# Altium PCB Disco 69.PcbDoc
Units mil, origin at the board's own origin, x right, y up, seen from the top; angles counter-clockwise.
Board outline 5620.27 x 3065.15 mil, 2 copper layers (Top Layer, Bottom Layer); 79 components, 55 nets, 277 pads, 121 vias.
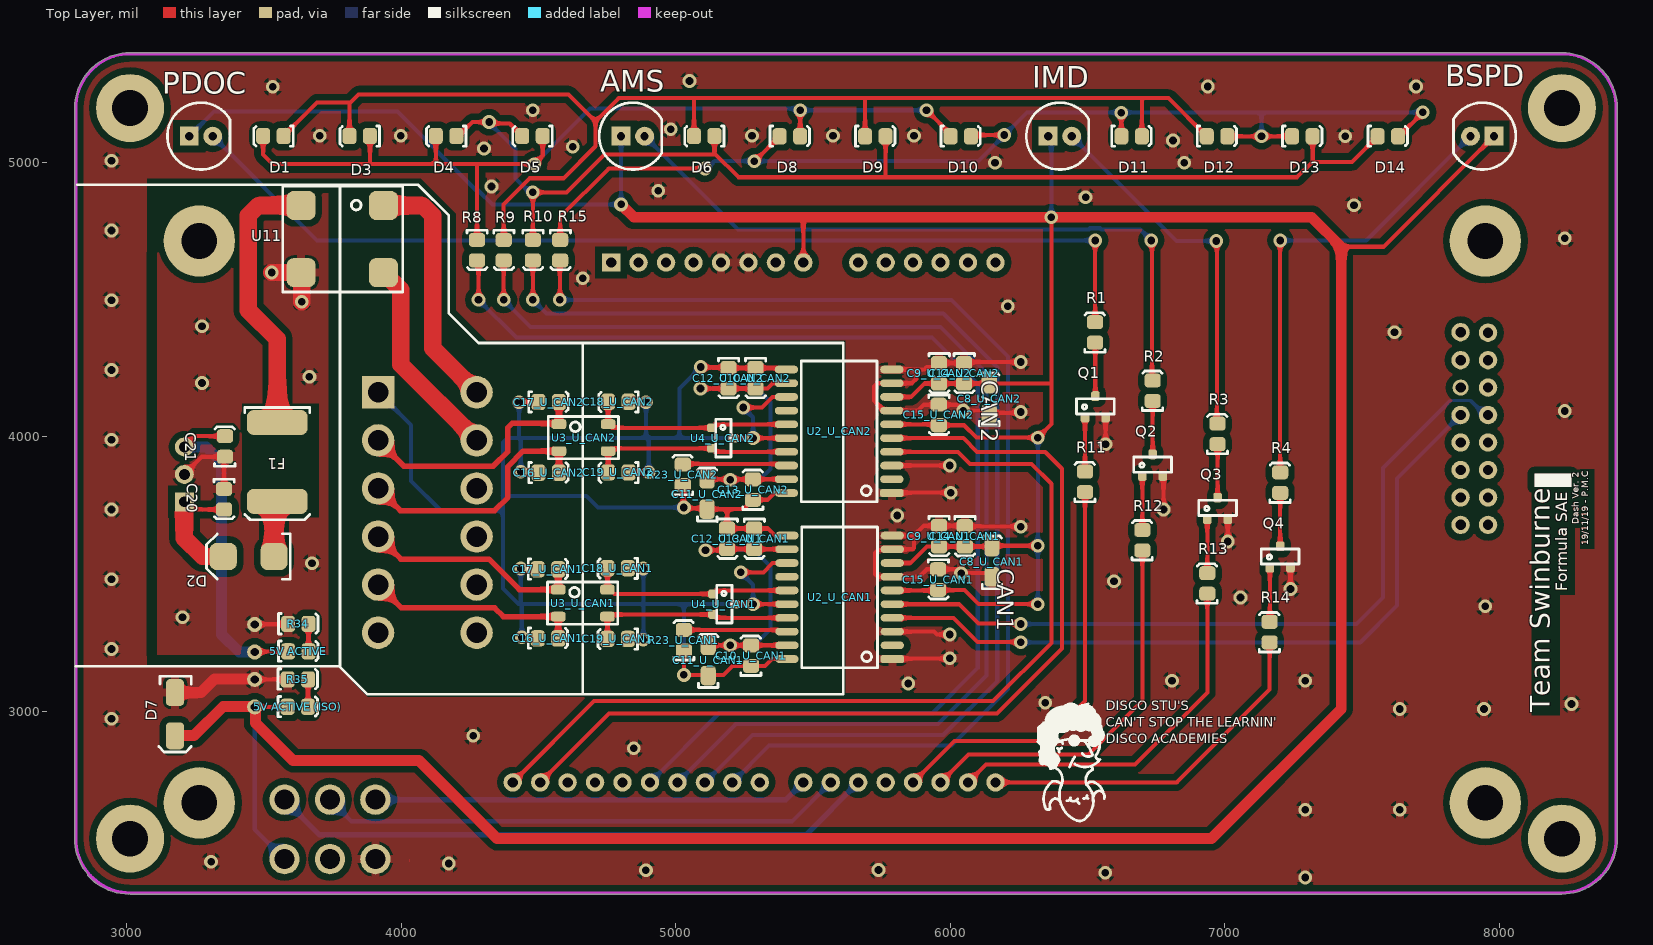
[diagram p0: Top Layer view]
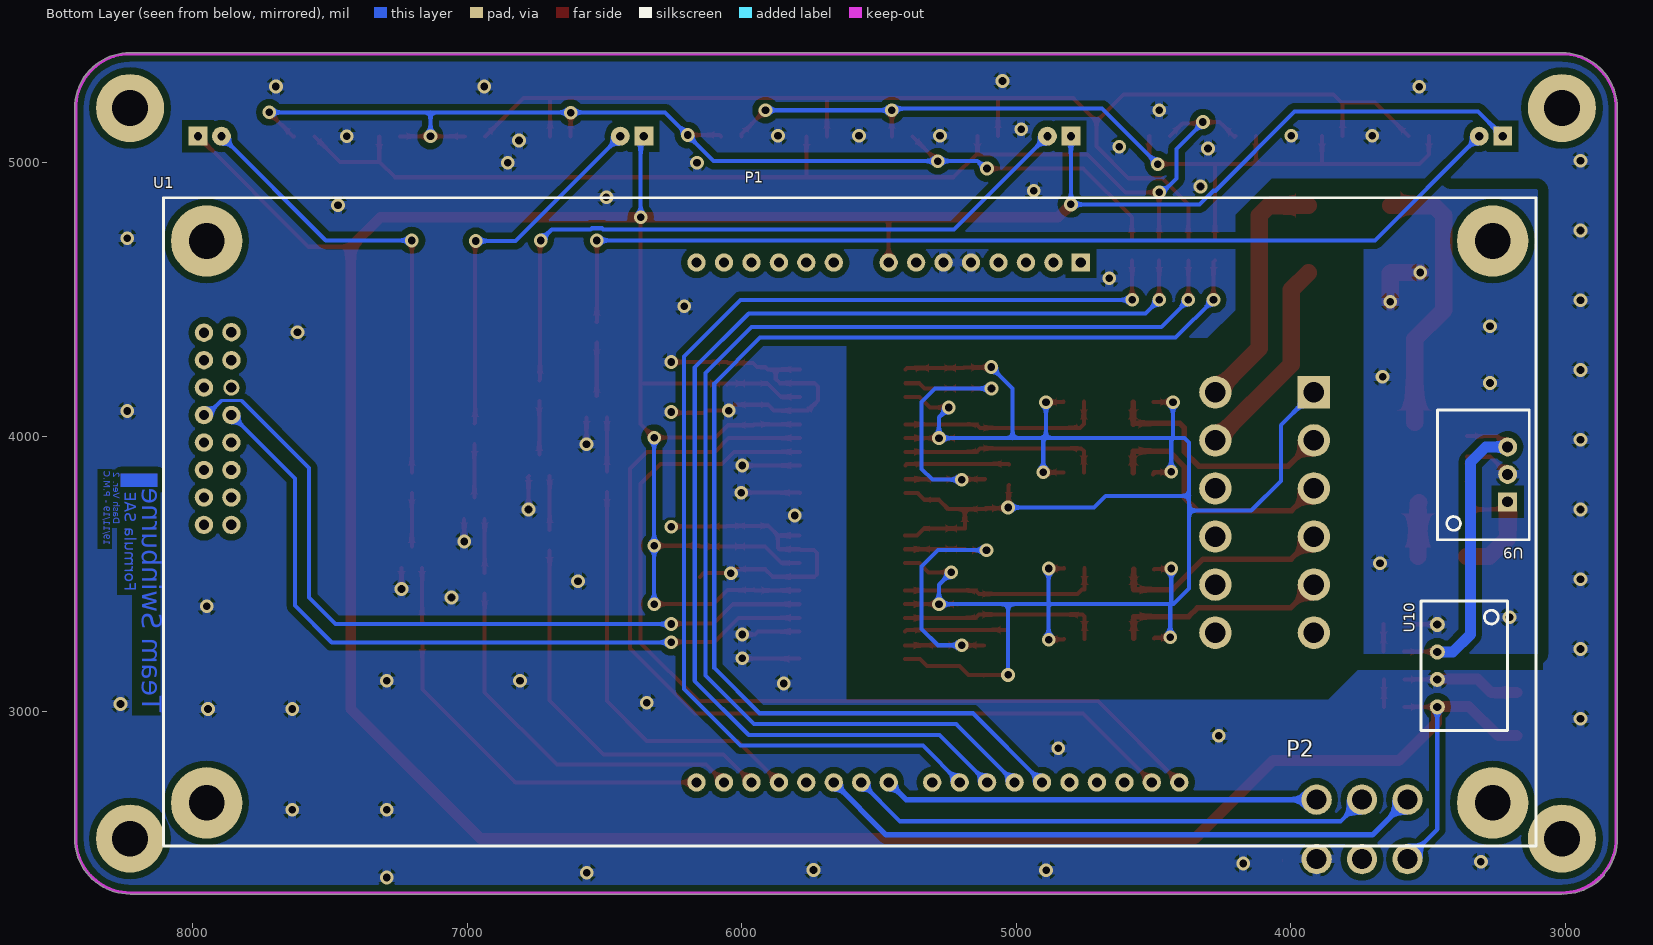
[diagram p1: Bottom Layer view, seen from below]

## Layer stack, top to bottom
Top Solder: solder mask 0.4, Solder Resist, Dk 3.5
Top Layer: signal copper 1.4
Dielectric 1: dielectric 12.6, FR-4, Dk 4.8
Bottom Layer: signal copper 1.4
Bottom Solder: solder mask 0.4, Solder Resist, Dk 3.5

## Board outline
2859.24,2398.85 cw(c2862.93,2402.24) 2858.35,2404.29 cw(c3011.81,2535.43) 2810.55,2519.76 cw(c2814.96,2522.15) 2809.95,2522.15 2809.95,5196.85 cw(c3011.81,5196.85) 3011.81,5398.72 8228.35,5398.72 cw(c8228.35,5196.85) 8429.6,5212.56 cw(c8425.2,5210.16) 8430.21,5210.16 8430.21,2535.43 cw(c8228.35,2535.43) 8228.35,2333.57 ccw(c8228.35,2338.58) 8228.43,2333.57 8228.35,2333.57 3011.81,2333.57 cw(c3011.81,2535.43) 3008.4,2333.6 cw(c3007.87,2338.58) 3007.87,2333.57 cw(c3007.87,2535.43)

## Design rules (kind name [scope] priority, off if disabled: settings)
Clearance [All] p1: gap=11.81 ignorepadtopadclearanceinfootprint=TRUE except(0: Arc-Hole Track-Hole SMDPad-Hole THPad-Hole Via-Hole Fill-Hole Poly-Hole Region-Hole Text-Hole; 23.62: Arc-Poly Track-Poly SMDPad-Poly THPad-Poly Via-Poly Fill-Poly; 39.37: Poly-Poly)
Height [All] p1: minheight=0 maxheight=1968.5 prefheight=500
PlaneConnect [All] p1: planeconnectstyle=Relief reliefexpansion=20 reliefentries=4 reliefconductorwidth=31.5 reliefairgap=10
PolygonConnect [All] p1: connectstyle=Relief reliefconductorwidth=31.5 reliefentries=4 polygonreliefangle="90 Angle" airgapwidth=10
RoutingVias [All] p1: holewidth=28 width=50 viastyle="Through Hole" minholewidth=28 minwidth=50 maxholewidth=28 maxwidth=50
SolderMaskExpansion [All] p1: expansion=4 istentingtop=FALSE
Width [All] p1: maxlimit=118.11 minlimit=11.81 preferedwidth=19.68
28 further rules are at their usual default settings.

## Classes and differential pairs
channel class CAN: U_CAN1 U_CAN2
component class U_Power: "5V ACTIVE" "5V ACTIVE (ISO)" C20 C21 D2 D7 F1 R34 R35 U9 U10 U11
component class U_CAN2: C8_U_CAN2 C9_U_CAN2 C10_U_CAN2 C11_U_CAN2 C12_U_CAN2 C13_U_CAN2 C14_U_CAN2 C15_U_CAN2 C16_U_CAN2 C17_U_CAN2 C18_U_CAN2 C19_U_CAN2 R23_U_CAN2 U2_U_CAN2 U3_U_CAN2 U4_U_CAN2
component class U_CAN1: C8_U_CAN1 C9_U_CAN1 C10_U_CAN1 C11_U_CAN1 C12_U_CAN1 C13_U_CAN1 C14_U_CAN1 C15_U_CAN1 C16_U_CAN1 C17_U_CAN1 C18_U_CAN1 C19_U_CAN1 R23_U_CAN1 U2_U_CAN1 U3_U_CAN1 U4_U_CAN1
component class "Top Level": AMS BSPD D1 D3 D4 D5 D6 D8 D9 D10 D11 D12 D13 D14 IMD P1 P2 PDOC Q1 Q2 Q3 Q4 R1 R2 R3 R4 R8 R9 R10 R11 R12 R13 R14 R15 U1

## Components (designator, comment, footprint, x,y, rotation, side; value= is the part's Value field where it differs from the comment)
"5V ACTIVE" "LED" "0805 LED" 3625.2,3218.59 r0 top
"5V ACTIVE (ISO)" "LED" "0805 LED" 3623.46,3016.53 r0 top
AMS "RED" "5MM LED" 4457.29,4984.25 r0 top
BSPD "RED" "5MM LED" 8324.39,5204.72 r180 top
C8_U_CAN1 "10nF" 1206 6151.57,3591.45 r90 top (schematic designator C8)
C8_U_CAN2 "10nF" 1206 6141.73,4185.38 r90 top (schematic designator C8)
C9_U_CAN1 "100nF" 0805 5960.06,3637.03 r270 top (schematic designator C9)
C9_U_CAN2 "100nF" 0805 5960.22,4230.18 r270 top (schematic designator C9)
C10_U_CAN1 "100nF" 0805 5273.43,3202.54 r90 top (schematic designator C10)
C10_U_CAN2 "100nF" 0805 5291.34,4212.04 r270 top (schematic designator C10)
C11_U_CAN1 "10nF" 1206 5118.11,3231.59 r90 top (schematic designator C11)
C11_U_CAN2 "10nF" 1206 5114.17,3838.03 r90 top (schematic designator C11)
C12_U_CAN1 "10uF" 0805 5188.04,3627.18 r270 top (schematic designator C12)
C12_U_CAN2 "10uF" 0805 5192.91,4212.04 r270 top (schematic designator C12)
C13_U_CAN1 "100nF" 0805 5286.46,3627.18 r270 top (schematic designator C13)
C13_U_CAN2 "100nF" 0805 5280.46,3807.5 r90 top (schematic designator C13)
C14_U_CAN1 "10uF" 0805 6054.09,3636.25 r270 top (schematic designator C14)
C14_U_CAN2 "10uF" 0805 6051.31,4230.18 r270 top (schematic designator C14)
C15_U_CAN1 "100nF" 0805 5956.69,3478.77 r270 top (schematic designator C15)
C15_U_CAN2 "100nF" 0805 5959.19,4078.18 r270 top (schematic designator C15)
C16_U_CAN1 "100pF" 0805 4534.89,3265.94 r0 top (schematic designator C16)
C16_U_CAN2 "100pF" 0805 4537.44,3869.3 r0 top (schematic designator C16)
C17_U_CAN1 "100pF" 0805 4534.89,3517.42 r0 top (schematic designator C17)
C17_U_CAN2 "100pF" 0805 4537.44,4126.69 r0 top (schematic designator C17)
C18_U_CAN1 "100pF" 0805 4787.88,3519.42 r180 top (schematic designator C18)
C18_U_CAN2 "100pF" 0805 4790.43,4125.87 r180 top (schematic designator C18)
C19_U_CAN1 "100pF" 0805 4787.88,3262.1 r180 top (schematic designator C19)
C19_U_CAN2 "100pF" 0805 4790.43,3868.47 r180 top (schematic designator C19)
C20 "10uF" 0805 3355.31,3771.26 r270 top
C21 "22uF" 0805 3356.51,3964.57 r90 top
D1 "Red" "0805 LED" 3533.4,5094.07 r180 top
D2 "SD560BTR" "SMB Diode" 3526.57,3562.99 r180 top
D3 "Red" "0805 LED" 3848.05,5094.07 r180 top
D4 "Red" "0805 LED" 4162.7,5094.07 r180 top
D5 "Red" "0805 LED" 4477.35,5094.07 r180 top
D6 "Red" "0805 LED" 5103.17,5094.07 r180 top
D7 "SMAZ5V6-13-F" "DI SMA Diode" 3175.62,3067.36 r270 top
D8 "Red" "0805 LED" 5416.26,5094.9 r0 top
D9 "Red" "0805 LED" 5727.44,5094.9 r0 top
D10 "Red" "0805 LED" 6038.62,5094.9 r0 top
D11 "Red" "0805 LED" 6660.98,5094.9 r0 top
D12 "Red" "0805 LED" 6972.16,5094.9 r0 top
D13 "Red" "0805 LED" 7283.34,5094.9 r0 top
D14 "Red" "0805 LED" 7594.52,5094.9 r0 top
F1 "0ZCF0200AF2C" 2920 3548.23,4051.18 r270 top
IMD "RED" "5MM LED" 6013.19,4984.25 r0 top
P1 "DTF15-12P" DTF15-12P 4633.56,4161.42 r270 bottom
P2 "39281063" 39281063 3740.16,2677.17 r180 bottom
PDOC "RED" "5MM LED" 2884.05,4984.25 r0 top
Q1 "BC817-16LT1" "ON SOT-23 BJT" 6528.32,4108.27 r0 top
Q2 "BC817-16LT1" "ON SOT-23 BJT" 6737.19,3895.67 r0 top
Q3 "BC817-16LT1" "ON SOT-23 BJT" 6973.82,3738.19 r0 top
Q4 "BC817-16LT1" "ON SOT-23 BJT" 7201.77,3561.02 r0 top
R1 "240R" 0805 6526.25,4380.12 r90 top
R2 "240R" 0805 6736.16,4167.52 r90 top
R3 "240R" 0805 6972.79,4010.04 r90 top
R4 "240R" 0805 7200.74,3832.88 r90 top
R8 "680R" 0805 4276.62,4678.66 r270 top
R9 "680R" 0805 4374.02,4678.66 r270 top
R10 "680R" 0805 4480.32,4678.66 r270 top
R11 "1k" 0805 6489.88,3835.48 r90 top
R12 "1k" 0805 6698.76,3622.88 r90 top
R13 "1k" 0805 6935.39,3465.4 r90 top
R14 "1k" 0805 7162.31,3288.24 r90 top
R15 "680R" 0805 4579.77,4678.66 r270 top
R23_U_CAN1 "0R" 0805 5028.5,3258.78 r90 top (schematic designator R23)
R23_U_CAN2 "0R" 0805 5024.56,3861.23 r90 top (schematic designator R23)
R34 "1.5k" 0805 3625.2,3318.59 r0 top
R35 "1.5k" 0805 3623.71,3116.53 r0 top
U1 "DISCO-F469NI" DISCO-F469NI 5606.72,3649.73 r270 bottom locked
U2_U_CAN1 "ADM3053" "AD SOIC-W 20" 5596.82,3414.47 r90 top (schematic designator U2)
U2_U_CAN2 "ADM3053" "AD SOIC-W 20" 5595.02,4019.43 r90 top (schematic designator U2)
U3_U_CAN1 "B82787C0104H002" "TDK 4-PC Pad" 4571.82,3442.53 r0 top (schematic designator U3)
U3_U_CAN2 "B82787C0104H002" "TDK 4-PC Pad" 4574.37,4045.39 r0 top (schematic designator U3)
U4_U_CAN1 "NUP2105L" "ON SOT-23" 5175.2,3389.3 r270 top (schematic designator U4)
U4_U_CAN2 "NUP2105L" "ON SOT-23" 5171.26,3994.43 r270 top (schematic designator U4)
U9 "R-78C5.0-1.0" "RECOM 3-SIP" 3209.65,3762.2 r90 bottom
U10 "RI-0505S" "RECOM 4-SIP" 3465.98,3165.2 r270 bottom
U11 "744272121" "Wurth 4-PC Pad" 3635.2,4597.24 r0 top

## Footprints (in the part's own frame and the unit in brackets; to place one, negate y for a bottom-side part, rotate by r counter-clockwise, add the part's x,y. Pads: shape width x height; smd on the part's side, far side on the other; paste and mask are expansions set on the pad)
"5MM LED" [mm]
  rect 1.75x1.75 hole 0.762: A(8.725,2.8)
  round 1.75 hole 0.762: K(10.9,2.8)
  silkscreen extent 6.7,-0.3 12.48,5.9, body extent 6.85,-0.15 12.36,5.75, height 8.9
0805 [mil]
  rrect50% 51.18x59.06 smd: 1(-37.87,-1.03) 2(36.93,-1.03)
  silkscreen extent -73,-37 71,37, body extent -39,-26 39,26, height 29
"0805 LED" [mil]
  rrect50% 51.18x59.06 smd: A(-37.87,-1.03) K(36.93,-1.03)
  silkscreen extent -73,-37 71,37, body extent -43,-25 35,25, height 39
1206 [mm]
  rrect50% 1.8x1.4 smd: 1(-2.6,0) 2(0.2,0)
  silkscreen extent -3.7,-0.9 1.2,0.9, body extent -2.9,-0.9 0.5,0.9, height 1.85
2920 [mm]
  rrect50% 2.3x5.6 smd: 1(0,0) 2(7.3,0)
  silkscreen extent -1.4,-3 9,3, body extent -0.34,-2.81 7.64,2.81, height 1.14
39281063 [mm]
  round 2.8 hole 1.85: 1(4.2,-5.5) 2(0,-5.5) 3(-4.2,-5.5) 4(4.2,0) 5(0,0) 6(-4.2,0)
  body extent -7.27,-7.8 7.33,3.2, height 12.8
"AD SOIC-W 20" [mil]
  rrect50% 28x85 smd: 1(-225,-192.02)
  oval 28x85 smd: 2(-175,-192.02) 3(-125,-192.02) 4(-75,-192.02) 5(-25,-192.02) 6(25,-192.02) 7(75,-192.02) 8(125,-192.02) 9(175,-192.02) 10(225,-192.02) 11(225,192.02) 12(175,191.98) 13(125,191.98) 14(75,191.98) 15(25,191.98) 16(-25,191.98) 17(-75,191.98) 18(-125,191.98) 19(-175,191.98) 20(-225,191.98)
  silkscreen extent -257,-138 256,138, body extent -260,-210 260,210, height 105
"DI SMA Diode" [mm]
  rrect50% 2.5x1.7 smd: A(0,0) K(4,0)
  silkscreen extent -1.5,-1.5 5.5,1.5, body extent -0.8,-1.46 4.79,1.46, height 2.35
DISCO-F469NI [mm]
  round 6.6 hole 3.3: 0(-27,-59.5) 0(-27,59.5) 0(25,-59.5) 0(25,59.5)
  rect 1.7x1.7 hole 0.95: 1(-25,21.391)
  round 1.7 hole 0.95: 2(-25,18.851) 3(-25,16.311) 4(-25,13.771) 5(-25,11.231) 6(-25,8.691) 7(-25,6.151) 8(-25,3.611) 9(-25,-1.469) 10(-25,-4.009) 11(-25,-6.549) 12(-25,-9.089) 13(-25,-11.629) 14(-25,-14.169) 15(23.103,30.499) 16(23.103,27.959) 17(23.103,25.419) 18(23.103,22.879) 19(23.103,20.339) 20(23.103,17.799) 21(23.103,15.259) 22(23.103,12.719) 23(23.103,10.179) 24(23.103,7.639) 25(23.103,3.611) 26(23.103,1.071) 27(23.103,-1.469) 28(23.103,-4.009) 29(23.103,-6.549) 30(23.103,-9.089) 31(23.103,-11.629) 32(23.103,-14.169) 33(-0.727,-57.213) 34(-3.267,-57.213) 35(-5.807,-57.213) 36(-8.347,-57.213) 37(-10.887,-57.213) 39(-15.967,-57.213) 40(-18.558,-57.213) 41(-18.507,-59.753) 42(-15.967,-59.753) 43(-13.427,-59.753) 44(-10.887,-59.753) 45(-8.347,-59.753) 46(-5.807,-59.753) 47(-3.267,-59.753) 48(-0.727,-59.753)
  round 1.5 hole 0.95: 38(-13.427,-57.213)
  silkscreen extent -31,-63.5 29,63.5, body extent -31.1,-64.69 29.95,63.89
DTF15-12P [mm]
  rect 3x3 hole 1.9: 1(0,18.24)
  round 3 hole 1.9: 2(4.45,18.24) 3(8.9,18.24) 4(13.35,18.24) 5(17.8,18.24) 6(22.25,18.24) 7(22.25,9.12) 8(17.8,9.12) 9(13.35,9.12) 10(8.9,9.12) 11(4.45,9.12) 12(0,9.12)
  body extent -10.87,2.62 33.07,24.88, height 35
"ON SOT-23" [mm] "NUP2105L"
  rrect50% 0.8x0.9 smd: 1(-0.95,-1) 2(0.95,-1) 3(0,1)
  silkscreen extent -1.75,-0.65 1.75,0.75, body extent -1.5,-1.27 1.5,1.28, height 1
"ON SOT-23 BJT" [mm] "NUP2105L"
  rrect50% 0.8x0.9 smd: B(-0.95,-1) C(0,1) E(0.95,-1)
  silkscreen extent -1.75,-0.65 1.75,0.75, body extent -1.5,-1.27 1.5,1.28, height 1
"RECOM 3-SIP" [mm] "12 to 42 Vdc In, 9 Vdc Out"
  rect 1.75x1.75 hole 1: 1(0,0)
  round 1.75 hole 1: 2(2.54,0) 3(5.08,0)
  silkscreen extent -3.5,-2 8.5,6.5, body extent -3.26,-2.02 8.34,6.48, height 11.41
"RECOM 4-SIP" [mil]
  round 55 hole 30: 1(-150,0) 2(-50,0) 3(50,0) 4(150,0)
  silkscreen extent -236,-59 236,256, body extent -225,-51 227,249, height 122
"SMB Diode" [mm]
  rrect50% 2.5x2.5 smd: A(-0.25,0) K(4.45,0)
  silkscreen extent -1.75,-2.1 6,2.1, body extent -0.69,-1.97 4.9,1.97, height 2.5
"TDK 4-PC Pad" [mm]
  rrect50% 1.35x0.9 smd: 1(0,0) 2(0,-2.5) 3(4.55,-2.5) 4(4.55,0)
  silkscreen extent -1,-3.2 5.5,0.7, body extent -0.02,-2.82 4.48,0.38, height 2.8
"Wurth 4-PC Pad" [mm]
  rrect50% 2.7x2.7 smd: 1(7.62,6.22) 2(0,6.22) 3(0,0) 4(7.62,0)
  silkscreen extent -1.7,-1.8 9.4,8, body extent -1.19,-1.24 8.81,7.46, height 6.2

## Part data
"5V ACTIVE" "5V ACTIVE (ISO)": library part SML-210LTT86, "Red LED Indication - Discrete 1.75V 0805 (2012 Metric)", Colour=Red, Digikey Part Number=511-1286-1-ND, Manufacturer="ROHM Semiconductor", Digikey Link=https://www.digikey.com/product-detail/en/rohm-semiconductor/SML-210LTT86/511-1286-1-ND/637099, Part Number=SML-210LTT86
AMS BSPD IMD PDOC: library part C503B-GAN-CB0F0791, "LED RED CLEAR 5MM ROUND T/H", Colour=Green, Digikey Part Number=C503B-GAN-CB0F0791-ND, Manufacturer="Cree Inc.", Digikey Link=https://www.digikey.com/products/en?mpart=C503B-GAN-CB0F0791&v=90&fbclid=IwAR2JUDlssEKQKztQKB3h34IlXIXn-Voov26K1DpWHwQ6mgzekaFZMifRLJU, Part Number=C503B-GAN-CB0F0791
C8_U_CAN1 C8_U_CAN2 C11_U_CAN1 C11_U_CAN2: library part GCM3195C2A103JA16D, Digikey Part Number=490-4978-2-ND, Manufacturer=muRata, Rated Voltage=100V, Tolerance=5%, Material=Ceramic, Part Number=GCM3195C2A103JA16D
C9_U_CAN1 C9_U_CAN2 C10_U_CAN1 C10_U_CAN2 C13_U_CAN1 C13_U_CAN2 C15_U_CAN1 C15_U_CAN2: library part GCM21BR71E104KA37L, Manufacturer=muRata, Rated Voltage=25V, Tolerance=10%, Material=X7R, Part Number=GCM21BR71E104KA37L
C12_U_CAN1 C12_U_CAN2 C14_U_CAN1 C14_U_CAN2 C20: library part GRM21BR6YA106KE43L, Digikey Part Number=490-10514-6-ND, Manufacturer=muRata, Rated Voltage=50V, Tolerance=10%, Material=X5R, Part Number=GRM21BR6YA106KE43L
C16_U_CAN1 C16_U_CAN2 C17_U_CAN1 C17_U_CAN2 C18_U_CAN1 C18_U_CAN2 C19_U_CAN1 C19_U_CAN2: library part GCM21B5C1H101JA37L, Manufacturer=muRata, Rated Voltage=50V, Tolerance=5%, Material=C0G, Part Number=GCM21B5C1H101JA37L
C21: library part GRM21BR61A226ME51L, Digikey Part Number=490-10511-1-ND, Manufacturer=muRata, Rated Voltage=10V, Tolerance=20%, Material=X5R, Part Number=GRM21BR61A226ME51L
D1 D3 D4 D5 D6 D8 D9 D10 D11 D12 D13 D14: library part SML-210LTT86, "Red LED Indication - Discrete 1.75V 0805 (2012 Metric)", Digikey Part Number=511-1286-1-ND, Manufacturer="ROHM Semiconductor", Colour=Red, Digikey Link=https://www.digikey.com/product-detail/en/rohm-semiconductor/SML-210LTT86/511-1286-1-ND/637099, Part Number=SML-210LTT86
D2: "1.2V_F 600V 5A SMB", Digikey Part Number=1655-1530-2-ND, Manufacturer="SMC Diode Solutions", Digikey Link=https://www.digikey.com/product-detail/en/smc-diode-solutions/SD560BTR/1655-1530-2-ND/6022620, Part Number=SD560BTR
D7: "DIODE ZENER 5.6V 1W SMA", Digikey Part Number=SMAZ5V6-FDICT-ND, Manufacturer="Diodes Inc", Digikey Link=https://www.digikey.com/product-detail/en/diodes-incorporated/SMAZ5V6-13-F/SMAZ5V6-FDICT-ND/755500, Part Number=SMAZ5V6-13-F
F1: "SMD 24V 2A Fuse", Digikey Part Number=507-1749-2-ND, Manufacturer="Bel Fuse Inc", Digikey Link=https://www.digikey.com/product-detail/en/bel-fuse-inc/0ZCF0200AF2C/507-1749-2-ND/4156090, Part Number=0ZCF0200AF2C
P1: Digikey Part Number=1734-1647-ND, Angle=0, Contact="Copper Alloy", Digikey Link=https://www.digikey.com.au/product-detail/en/te-connectivity-deutsch-connectors/DTF15-12PA/1734-1647-ND/7220164, Flange=No, Part Number=DTF15-12P, Pitch=4.44mm, Positions=12, Row Spacing="9.12 mm"
P2: "Mini-Fit VERT 3x2", Digikey Part Number=WM3802-ND, Angle=0, Contact=Gold, Digikey Link=https://www.digikey.com/product-detail/en/molex/0039281063/WM3802-ND/61404, Flange=No, Part Number=39281063, Pitch=4.20mm, Positions=6, Row Spacing=4.2mm
Q1 Q2 Q3 Q4: "300mW  BJT NPN Transistor", Digikey Part Number=BC817-16LT1OSTR-ND, Manufacturer="ON Semiconductor", Digikey Link=https://www.digikey.com.au/product-detail/en/on-semiconductor/BC817-16LT1/BC817-16LT1OSTR-ND/606178, Part Number=BC817-16LT1
R1 R2 R3 R4: library part RC0805FR07240RL, Manufacturer=YAGEO, Rated Voltage=0.125W, Tolerance=0.01, Material=FR-07, Part Number=RC0805FR07240RL, Qty=50
R8 R9 R10 R15: library part RC0805FR07680RL, Manufacturer=YAGEO, Rated Voltage=0.125W, Tolerance=0.01, Material=FR-07, Part Number=RC0805FR07680RL, Qty=50
R11 R12 R13 R14: library part RC0805FR071KL, Manufacturer=YAGEO, Rated Voltage=0.125W, Tolerance=0.01, Material=FR-07, Part Number=RC0805FR071KL, Qty=50
R23_U_CAN1 R23_U_CAN2: library part RC0805FR070RL, Manufacturer=YAGEO, Rated Voltage=0.125W, Tolerance=0.01, Material=FR-07, Part Number=RC0805FR070RL, Qty=50
R34 R35: library part RC0805FR071K5L, Manufacturer=YAGEO, Rated Voltage=0.125W, Tolerance=0.01, Material=FR-07, Part Number=RC0805FR071K5L, Qty=50
U1: "STM32F469 Discovery STM32F4 ARM® Cortex®-M4 MCU 32-Bit Embedded Evaluation Board  (The Disco 69 lol)", Digikey Part Number=497-15990-ND, Manufacturer=STMicroelectronics, Digikey Link=https://www.digikey.com/product-detail/en/stmicroelectronics/STM32F469I-DISCO/497-15990-ND/5428811, Part Number=DISCO-F469NI
U2_U_CAN1 U2_U_CAN2: "Isolated CAN Transceiver", Digikey Part Number=ADM3053BRWZ-ND, Manufacturer="Analogue Devices", Digikey Link=https://www.digikey.com/product-detail/en/analog-devices-inc/ADM3053BRWZ/ADM3053BRWZ-ND/2709332, Part Number=ADM3053
U3_U_CAN1 U3_U_CAN2: "Common mode choke intended for CANBUS 150mA 50V)", Digikey Part Number=495-4598-2-ND, Manufacturer="EPCOS (TDK)", Digikey Link=https://www.digikey.com/product-detail/en/epcos-tdk/B82787C0104H002/495-4598-2-ND/3680998, Part Number=B82787C0104H002
U4_U_CAN1 U4_U_CAN2: "Dual Line CAN Bus Protector", Digikey Part Number=NUP2105LT1GOSCT-ND, Manufacturer="ON Semiconductor", Digikey Link=https://www.digikey.com/product-detail/en/on-semiconductor/NUP2105LT1G/NUP2105LT1GOSCT-ND/1485001, Part Number=NUP2105L
U9: "CONV DC/DC 1A 5V OUT SIP VERT", Digikey Part Number=945-1395-5-ND, Manufacturer=Recom, Digikey Link=https://www.digikey.com.au/product-detail/en/recom-power/R-78C5.0-1.0/945-1395-5-ND/2652148, Part Number=R-78C5.0-1.0
U10: "5V DC-DC Converter (2W)", Digikey Part Number=945-1189-ND, Manufacturer=Recom, Digikey Link=https://www.digikey.com/product-detail/en/recom-power/RI-0505S/945-1189-ND/2256369, Part Number=RI-0505S
U11: "Common Mode Choke 120UH 2.5A 2LN 460 OHM SMD", Digikey Part Number=732-1489-2-ND, Manufacturer="Wurth Electronics Inc", Digikey Link=https://www.digikey.com/product-detail/en/wurth-electronics-inc/744272121/732-1489-2-ND/1638893, Part Number=744272121

## Free pads (board coordinates)
  round 248.03 hole 129.92: 4(3011.81,2535.43) 4(3011.81,5196.85) 4(8228.35,2535.43) 4(8228.35,5196.85)

## Via types
v1: diameter 50, hole 28, Top Layer to Bottom Layer, 121 vias

## Nets (pads, with @x,y where several pads share a name; then routed paths per layer and width w, separated by ;. In a path a pad name is that pad's centre, name@x,y a point inside that pad or via, vN(x,y) a via of type N, cw(c..) or ccw(c..) an arc to the next point about the centre after c; other vN are vias at no path point)
0V: C20.1 C21.1 R34.1 U9.2 U10.1 U11.3 | length 637.6
  Top Layer w15: U9.2 3274.14,3926.69 C21.1 3354.28,3923.43 C20.1 ; U10.1@3464.99,3321.3 U10.1@3469.72,3316.58 ; U10.1 3467.16,3316.38 3586.15,3316.38 R34.1
  Top Layer w62.99: v1(3527.72,4598.03) 3634.41,4598.03 U11.3 3636.97,4595.47 v1(3636.97,4490.75)
  other v1: 3202.89,3341.95 3674.37,3538.39 3274.14,4195.28 3665.22,4217.53 3274.14,4401.51
"0V (ISO)": C8_U_CAN1.1 C8_U_CAN2.1 C9_U_CAN1.1 C9_U_CAN2.1 C14_U_CAN1.1 C14_U_CAN2.1 C15_U_CAN1.1 C15_U_CAN2.1 D7.A P2.3 Q1.E Q2.E Q3.E Q4.E R35.1 U1.5 U1.6 U2_U_CAN1.1 U2_U_CAN1.3 U2_U_CAN1.7 U2_U_CAN1.9 U2_U_CAN1.10 U2_U_CAN2.1 U2_U_CAN2.3 U2_U_CAN2.7 U2_U_CAN2.9 U2_U_CAN2.10 U10.3 | length 4174
  Top Layer w15: U10.3 3466.13,3115.35 3585.69,3115.35 R35.1 ; U2_U_CAN2.1 5788.41,3795.8 v1(6001.97,3795.8) ; U2_U_CAN2.3 v1(5998.03,3894.43) ; U2_U_CAN2.10 5787.2,4244.26 5875.98,4244.26 ; U2_U_CAN1.1@5788.84,3190.94 v1@5998.03,3190.94 ; U2_U_CAN1.3 5940.52,3289.47 5950.92,3279.07 v1(5998.03,3279.07) ; U2_U_CAN1.10 5866.31,3639.47 5868.11,3641.27 ; C8_U_CAN1.1 6138.34,3502.33 v1(6039.43,3502.33) 6025.11,3516.65 C15_U_CAN1.1 5914.39,3516.65 5887.21,3489.47 U2_U_CAN1.7 5734.69,3489.47 5725.91,3498.25 5725.91,3576.12 5736.76,3586.98 5786.35,3586.98 U2_U_CAN1.9 5863.39,3589.47 5868.11,3594.19 5868.11,3641.27 ; v1@6256.68,3672.77 6054.42,3672.77 C14_U_CAN1.1 6052.28,3674.9 C9_U_CAN1.1 5901.74,3674.9 5868.11,3641.27 ; v1(6256.68,4089.43) 6253.47,4086.22 6138.66,4086.22 6138.59,4086.15 6130.12,4094.62 v1(6047.17,4094.62) 6025.72,4116.06 C15_U_CAN2.1 5904.9,4116.06 5883.27,4094.43 U2_U_CAN2.7 5758.89,4094.43 5721.97,4131.35 5721.97,4182.33 5734.07,4194.43 U2_U_CAN2.9 5860.24,4194.43 5875.98,4210.18 5875.98,4244.26 ; v1(6256.68,4271.65) 6053.89,4271.65 C14_U_CAN2.1 C9_U_CAN2.1 5944.37,4253.23 5914.22,4253.23 5905.26,4244.26 5875.98,4244.26 ; v1(6565.72,3972.21) Q1.E ; Q2.E 6780.51,3850.38 6776.57,3846.44 v1(6776.57,3734.25) ; v1(7011.22,3617.72) Q3.E ; v1(7239.17,3444.88) Q4.E
  Top Layer w39.37: D7.A 3270.11,3067.36 3319.32,3116.58 U10.3@3464.99,3116.58
  other v1: 7293.31,2393.77 6564.96,2411.42 4891.07,2419.92 5738.19,2421.26 4173.23,2444.88 3307.09,2451.39 7293.31,2640.15 7637.8,2640.15 4846.68,2864.17 4261.81,2909.65 2944.58,2971.74 7637.8,3007.52 7944.29,3007.52 8262.88,3025.61 6345.91,3030.55 5846.46,3100.39 6807.94,3110.24 7293.31,3110.24 5998.03,3192.45 2944.58,3225.89 7949.24,3381.39 7057.09,3413.44 6596.29,3472.64 2944.58,3480.04 6256.68,3671.26 5807.09,3712.14 2944.58,3734.19 2944.58,3988.35 8238.19,4093.26 2944.58,4242.5 7618.11,4380.35 6209.54,4474.93 2944.58,4496.65 4661.04,4576.41 8238.19,4722.8 2944.58,4750.8 7470.47,4842.89 6492.97,4872.05 4935.78,4895.44 4328.51,4911.19 6163.16,4997.8 6852.13,4997.8 2944.58,5004.95 4301.18,5049.21 4625,5056.1 6811.02,5078.74 7439.11,5093.87 3702.53,5096.23 3997.8,5096.23 5277.33,5096.23 5572.61,5096.23 5867.88,5096.23 4982.06,5119.85 4479.28,5188.54 3531.28,5274.23 6937.9,5275.59 7697.02,5275.59 5049.66,5295.28
5V: "5V ACTIVE.A" C21.2 U9.3 U10.2 | length 1219.7
  Top Layer w15: U9.3 3248.94,4001.49 C21.2 ; U10.2 3467.16,3216.38 3586.15,3216.38 3587.33,3217.56
  Bottom Layer w39.37: U9.3 3289.76,3962.2 3345.47,3906.5 3345.47,3279.29 3409.56,3215.2 U10.2
"5V (ISO)": "5V ACTIVE (ISO).A" AMS.A BSPD.A C8_U_CAN1.2 C8_U_CAN2.2 C9_U_CAN1.2 C9_U_CAN2.2 C14_U_CAN1.2 C14_U_CAN2.2 C15_U_CAN1.2 C15_U_CAN2.2 D7.K IMD.A P2.1 PDOC.A U1.8 U2_U_CAN1.6 U2_U_CAN1.8 U2_U_CAN2.6 U2_U_CAN2.8 U10.4 | length 16695.1
  Top Layer w15: U10.4@3464.99,3016.58 3466.22,3015.35 3585.43,3015.35 3585.58,3015.5 ; U1.8 5464.57,4799.21 ; U2_U_CAN2.6 C15_U_CAN2.2@5958.16,4044.43 ; U2_U_CAN2.8 5857.11,4144.43 5905.93,4193.25 C9_U_CAN2.2 C14_U_CAN2.2 ; U2_U_CAN1.6 5953.28,3439.47 C15_U_CAN1.2 5956.85,3440.66 6051.17,3440.66 6102.44,3389.38 v1(6318.9,3389.38) ; U2_U_CAN1.8 5855.05,3539.47 5915.69,3600.1 C9_U_CAN1.2 5959.6,3599.52 6052.86,3599.52 C14_U_CAN1.2 6053.15,3599.42 6151.48,3599.42 C8_U_CAN1.2 6152.01,3598.89 6155.48,3602.36 v1(6318.9,3602.36) ; C15_U_CAN2.2 6050.6,4041.26 6095.8,3996.06 v1(6318.9,3996.06) 6368.11,4045.28 6368.11,4193.25 ; C14_U_CAN2.2@6053.06,4190.48 C14_U_CAN2.2 ; v1(6368.11,4799.21) 6368.11,4193.25 ; 7424.21,4691.41 7577.81,4691.41 BSPD.A ; C14_U_CAN2.2 C8_U_CAN2.2 6368.11,4193.25
  Top Layer w39.37: D7.K 3176.3,2910.57 3245.08,2910.57 3351.09,3016.58 U10.4@3464.99,3016.58 ; U10.4 3468.97,3012.21 3468.97,2956.4 3605.87,2819.5 4064.66,2819.5 4348.73,2535.43 6952.13,2535.43 7424.21,3007.52 7424.21,4691.41 7316.41,4799.21 v1(6368.11,4799.21) 5553.27,4799.21 5464.57,4799.21 4847.42,4799.21 v1(4800.79,4845.84)
  Bottom Layer w15: PDOC.A 3317.12,5184.06 3985.89,5184.06 4274.5,4895.44 4281.59,4895.44 4331.58,4845.45 4798.95,4845.45 4799.34,4845.84 v1(4800.79,4845.84) AMS.A ; U10.4 3465.98,2569.46 P2.1 ; v1(6318.9,3389.38) v1(6318.9,3602.36) v1(6318.9,3996.06) ; IMD.A 6368.11,5083.07 v1(6368.11,4799.21)
AMS: R12.1 U1.30 | length 1405.4
  Top Layer w15: U1.30 6066.39,2841.98 6503.39,2841.98 6699.79,3038.37 R12.1
BSPD: R14.1 U1.32 | length 1310.7
  Top Layer w15: U1.32 6824.8,2740.16 7163.34,3078.69 R14.1
C1: R8.2 U1.20 | length 4494.2
  Top Layer w15: R8.2 4281.5,4635.83 v1(4281.5,4498.03)
  Bottom Layer w15: v1(4281.5,4498.03) 4419.29,4360.24 5933.73,4360.24 6099.94,4194.03 6099.94,3157.02 5935.04,2992.13 5157.94,2992.13 U1.20
C2: R9.2 U1.21 | length 4402.4
  Top Layer w15: v1(4372.98,4498.03) R9.2
  Bottom Layer w15: v1(4372.98,4498.03) 4471.41,4399.61 5964.57,4399.61 6131.89,4232.28 6131.89,3129.92 5954.72,2952.76 5218.57,2952.76 U1.21
C3: R10.2 U1.22 | length 4297.9
  Top Layer w15: v1(4479.28,4498.03) R10.2
  Bottom Layer w15: v1(4479.28,4498.03) 4528.5,4448.82 5974.41,4448.82 6171.26,4251.97 6171.26,3110.24 5974.41,2913.39 5279.2,2913.39 U1.22
C4: R15.2 U1.23 | length 4220.3
  Top Layer w15: v1(4576.77,4498.03) 4577.76,4499.02 4577.76,4640.75 R15.2
  Bottom Layer w15: v1(4576.77,4498.03) 6003.94,4498.03 6210.63,4291.34 6210.63,3080.71 6003.94,2874.02 5339.83,2874.02 U1.23
CAN1_RX: U1.37 U2_U_CAN1.4 | length 2720.4
  Top Layer w15: U2_U_CAN1.4 6011.81,3339.47 6099.4,3251.87 v1@6256.68,3251.87
  Bottom Layer w15: v1(6256.68,3250.36) 7493.55,3250.36 7627.95,3384.77 7627.95,3847.12 U1.37
CAN1_TX: U1.44 U2_U_CAN1.5 | length 2835.6
  Top Layer w15: U2_U_CAN1.5 5789,3389.3 6031.5,3389.3 6102.36,3318.44 v1@6256.68,3318.44
  Bottom Layer w11.81: 7814.96,4124.02 7822.06,4131.11 7895.26,4131.11 7902.35,4124.02
  Bottom Layer w15: v1(6256.68,3316.93) 7480.31,3316.93 7576.77,3413.39 7576.77,3885.83 7814.96,4124.02 ; 7902.35,4124.02 7948.01,4078.35 U1.44
CAN1H: C16_U_CAN1.2 P1.5 U3_U_CAN1.2 | length 783.8
  Top Layer w20: P1.5@3915.46,3460.63 4000.1,3375.98 4340.28,3375.98 4372.16,3344.1 U3_U_CAN1.2 C16_U_CAN1.2
CAN1L: C17_U_CAN1.2 P1.4 U3_U_CAN1.1 | length 810.3
  Top Layer w20: P1.4@3915.46,3635.83 3998.13,3553.15 4319.33,3553.15 4429.95,3442.53 U3_U_CAN1.1 C17_U_CAN1.2
CAN2_RX: U1.15 U2_U_CAN2.4 | length 3381.9
  Top Layer w15: U1.15 4702,3036.19 6156.27,3036.19 6368.11,3248.03 6368.11,3828.18 6295.65,3900.64 6071.34,3900.64 6027.55,3944.43 U2_U_CAN2.4
CAN2_TX: U1.16 U2_U_CAN2.5 | length 3424.9
  Top Layer w15: U1.16 4756.88,2991.07 6170.2,2991.07 6407.48,3228.35 6407.48,3882.86 6345.91,3944.43 6097.43,3944.43 6047.43,3994.43 U2_U_CAN2.5
CAN2H: C16_U_CAN2.2 P1.3 U3_U_CAN2.2 | length 927
  Top Layer w20: P1.3 3915.5,3811.02 3996.37,3730.16 4340.16,3730.16 4388.23,3778.23 4388.23,3890.98 4444.22,3946.97 U3_U_CAN2.2 C16_U_CAN2.2
CAN2L: C17_U_CAN2.2 P1.2 U3_U_CAN2.1 | length 894.1
  Top Layer w20: P1.2 4009.76,3891.89 4334.8,3891.89 4388.23,3945.32 4388.23,4032.45 4404.12,4048.35 U3_U_CAN2.1@4574.37,4048.35 ; U3_U_CAN2.1 U3_U_CAN2.1@4574.37,4048.35 ; C17_U_CAN2.2 U3_U_CAN2.1@4574.37,4048.35
CANS: C10_U_CAN1.1 C10_U_CAN2.1 C11_U_CAN1.1 C11_U_CAN2.1 C12_U_CAN1.1 C12_U_CAN2.1 C13_U_CAN1.1 C13_U_CAN2.1 C16_U_CAN1.1 C16_U_CAN2.1 C17_U_CAN1.1 C17_U_CAN2.1 C18_U_CAN1.1 C18_U_CAN2.1 C19_U_CAN1.1 C19_U_CAN2.1 P1.1 R23_U_CAN1.1 R23_U_CAN2.1 U2_U_CAN1.11 U2_U_CAN1.13 U2_U_CAN1.16 U2_U_CAN1.20 U2_U_CAN2.11 U2_U_CAN2.13 U2_U_CAN2.16 U2_U_CAN2.20 U4_U_CAN1.3 U4_U_CAN2.3 | length 8508
  Top Layer w15: v1(4429.13,4125.52) 4429.2,4125.59 4499.5,4125.59 C17_U_CAN2.1 ; v1(4435.04,3519.22) 4436.46,3517.81 4495.6,3517.81 C17_U_CAN1.1 ; v1(4435.04,3871.59) 4436.7,3869.93 4497.91,3869.93 C16_U_CAN2.1 ; v1(4438.98,3269.22) 4441.13,3267.07 4494.86,3267.07 C16_U_CAN1.1 ; C16_U_CAN2.1@4497.05,3865.49 C16_U_CAN2.1@4500.98,3861.55 ; C19_U_CAN1.1 4827.63,3261.26 4880.01,3261.26 v1(4881.89,3259.38) ; C18_U_CAN1.1 4826.98,3519.22 v1(4881.89,3519.22) ; C19_U_CAN2.1 4828.36,3869.56 4901.52,3869.56 v1(4901.57,3869.62) ; C18_U_CAN2.1 4829.68,4125.52 v1(4891.73,4125.52) ; R23_U_CAN2.1 5027.56,3821.39 5027.56,3743.63 v1(5029.53,3741.66) 5032.53,3738.66 C11_U_CAN2.1@5111.17,3738.66 ; R23_U_CAN1.1 v1(5029.53,3131.75) C11_U_CAN1.1@5118.11,3131.75 ; v1(5091.18,4253.48) 5092.96,4251.7 5190.1,4251.7 C12_U_CAN2.1 C10_U_CAN2.1 5397.51,4249.91 U2_U_CAN2.11 ; C11_U_CAN2.1@5111.17,3734.08 C11_U_CAN2.1@5111.17,3738.66 ; C11_U_CAN1.1 5120.63,3131.75 5173.21,3131.75 5206.13,3164.67 5325.01,3164.67 5349.81,3189.47 U2_U_CAN1.20 ; U4_U_CAN2.3 v1(5281.5,3994.43) U2_U_CAN2.16 ; U4_U_CAN1.3 5214.65,3389.38 v1(5281.5,3389.38) 5404.76,3389.38 U2_U_CAN1.16 ; v1(5236.22,3505.44) 5318.95,3505.44 5352.97,3539.47 U2_U_CAN1.13 ; v1(5246.06,4105.84) 5314.38,4105.84 5352.97,4144.43 U2_U_CAN2.13 ; U2_U_CAN2.20 5358.87,3794.43 5334.07,3769.63 C13_U_CAN2.1 5247.53,3735.66 5187.01,3735.66 ; U2_U_CAN1.11 5362.04,3639.47 5336.45,3665.05 C13_U_CAN1.1 C12_U_CAN1.1 5187.01,3735.66 ; C11_U_CAN2.1@5111.17,3738.66 C11_U_CAN2.1 5187.01,3735.66
  Bottom Layer w15: P1.1 4035.43,4041.43 4035.43,3838.58 4143.7,3730.32 4370.08,3730.32 ; v1(4429.13,4125.52) 4429.13,3996.48 4427.08,3994.43 ; v1(4435.04,3519.22) 4435.04,3389.38 ; v1(4435.04,3871.59) 4435.04,3986.47 4427.08,3994.43 ; v1(4438.98,3269.22) 4438.98,3385.45 4435.04,3389.38 ; v1(4881.89,3259.38) 4881.89,3380.79 4873.29,3389.38 ; v1(4881.89,3519.22) 4881.89,3397.98 4873.29,3389.38 ; v1(4891.73,4125.52) 4891.73,3994.43 ; v1(4901.57,3869.62) 4901.57,3984.59 4891.73,3994.43 ; v1@5029.53,3131.43 5029.53,3389.38 ; v1(5029.53,3741.66) 4716.23,3741.66 4673.91,3783.98 4370.08,3783.98 ; v1(5091.18,4253.48) 5012.91,4175.21 5012.91,3994.43 ; v1(5236.22,3505.44) 5281.5,3460.17 v1(5281.5,3389.38) 5029.53,3389.38 ; v1(5246.06,4105.84) 5281.5,4070.4 v1(5281.5,3994.43) 5012.91,3994.43 ; 4370.08,3730.32 4370.08,3783.98 ; 4370.08,3730.32 4370.08,3446.39 4427.08,3389.38 4435.04,3389.38 ; 4370.08,3783.98 4370.08,3977.89 4386.62,3994.43 4427.08,3994.43 ; 4427.08,3994.43 4891.73,3994.43 ; 4435.04,3389.38 4873.29,3389.38 ; 4873.29,3389.38 5029.53,3389.38 ; 4891.73,3994.43 5012.91,3994.43
"Enc Button": P2.4 U1.27 | length 2221.9
  Bottom Layer w19.68: P2.4 3702.76,2549.21 5473.62,2549.21 U1.27
"Enc Channel A": P2.6 U1.25 | length 1585.1
  Bottom Layer w19.68: P2.6 5401.57,2677.17 U1.25
"Enc Channel B": P2.5 U1.26 | length 1915.7
  Bottom Layer w15: P2.5 3818.9,2598.43 5422.83,2598.43 U1.26
GLV+: P1.12 U11.1 | length 904.5
  Top Layer w62.99: U11.1 4077.27,4842.13 4114.17,4805.23 4114.17,4321.75 P1.12
GLV-: P1.11 U11.4 | length 751.6
  Top Layer w62.99: U11.4 3997.99,4534.45 3997.99,4262.73 P1.11
IMD: R13.1 U1.31 | length 1367
  Top Layer w15: U1.31 6129.53,2805.12 6673.23,2805.12 6936.42,3068.31 R13.1
"Net5V ACTIVE (ISO)_K": "5V ACTIVE (ISO).K" R35.2 | length 100.1
  Top Layer w15: 3660.38,3015.5 3660.38,3115.25 R35.2
"Net5V ACTIVE_K": "5V ACTIVE.K" R34.2 | length 100
  Top Layer w15: 3662.13,3217.56 R34.2
NetAMS_K: AMS.K R2.2 | length 2518.7
  Top Layer w15: v1(6732.28,4714.57) 6734.74,4712.11 6734.74,4206.9 R2.2
  Bottom Layer w15: AMS.K 5226.01,4754.9 6505.32,4754.9 6509.3,4758.88 6546,4758.88 6549.98,4754.9 6691.95,4754.9 v1(6732.28,4714.57)
NetBSPD_K: BSPD.K R4.2 | length 1695.6
  Top Layer w15: R4.2 v1(7201.77,4714.57)
  Bottom Layer w15: v1(7201.77,4714.57) 7515.34,4714.57 BSPD.K
NetC10_U_CAN1_2: C10_U_CAN1.2 C11_U_CAN1.2 C12_U_CAN1.2 C13_U_CAN1.2 U2_U_CAN1.12 U2_U_CAN1.19 | length 1235.1
  Top Layer w15: v1(5108.27,3586.15) C12_U_CAN1.2@5179.13,3586.15 ; C11_U_CAN1.2 v1@5198.82,3239.47 ; C12_U_CAN1.2 C13_U_CAN1.2 5286.22,3589.47 U2_U_CAN1.12 ; v1(5198.82,3239.7) v1@5198.82,3239.47 ; U2_U_CAN1.19 C10_U_CAN1.2 v1@5198.82,3239.47
  Bottom Layer w15: v1(5108.27,3586.15) 5285.43,3586.15 5344.49,3527.1 5344.49,3298.75 5285.43,3239.7 v1(5198.82,3239.7)
NetC10_U_CAN2_2: C10_U_CAN2.2 C11_U_CAN2.2 C12_U_CAN2.2 C13_U_CAN2.2 U2_U_CAN2.12 U2_U_CAN2.19 | length 1295.2
  Top Layer w15: v1(5089.95,4175.11) C12_U_CAN2.2 C10_U_CAN2.2 5334.04,4175.11 5353.35,4194.43 U2_U_CAN2.12 ; C11_U_CAN2.2 5115.65,3844.43 C13_U_CAN2.2 U2_U_CAN2.19
  Bottom Layer w15: v1(5089.95,4175.11) 5295.88,4175.11 5344.49,4126.51 5344.49,3882.41 5305.12,3843.04 v1(5198.82,3843.04) v1@5194.88,3843.04
NetC18_U_CAN1_2: C18_U_CAN1.2 U2_U_CAN1.15 U3_U_CAN1.4 U4_U_CAN1.1 | length 743.6
  Top Layer w15: C18_U_CAN1.2 U3_U_CAN1.4 4760.55,3442.53 4776.37,3426.7 U4_U_CAN1.1 5148.59,3439.47 U2_U_CAN1.15
NetC18_U_CAN2_2: C18_U_CAN2.2 U2_U_CAN2.15 U3_U_CAN2.4 U4_U_CAN2.1 | length 741.9
  Top Layer w15: C18_U_CAN2.2 U3_U_CAN2.4 4767.07,4031.83 U4_U_CAN2.1 5144.49,4044.43 U2_U_CAN2.15
NetC19_U_CAN1_2: C19_U_CAN1.2 U2_U_CAN1.17 U3_U_CAN1.3 U4_U_CAN1.2 | length 743.2
  Top Layer w15: C19_U_CAN1.2 U3_U_CAN1.3 4758.75,3351.9 U4_U_CAN1.2 5148.26,3339.47 U2_U_CAN1.17
NetC19_U_CAN2_2: C19_U_CAN2.2 U2_U_CAN2.17 U3_U_CAN2.3 U4_U_CAN2.2 | length 736.4
  Top Layer w15: C19_U_CAN2.2 U3_U_CAN2.3 4763.56,3957.03 U4_U_CAN2.2 5144.49,3944.43 U2_U_CAN2.17
NetC20_2: C20.2 D2.K U9.1 | length 465.8
  Top Layer w15: U9.1 3237.52,3734.33 C20.2
  Top Layer w62.99: U9.1 3209.65,3734.33 3209.65,3629.92 3276.57,3562.99 D2.K D2.K@3359.25,3562.99
NetD1_A: D1.A D3.K D6.K D9.A D11.K D12.A R9.1 | length 4746.2
  Top Layer w15: D1.A 3692.71,5216.54 3814.96,5216.54 ; D3.K 3811.12,5212.7 3814.96,5216.54 ; R9.1 4372.98,4846.13 4467.8,4940.94 4590.55,4940.94 4707.32,5057.71 4707.32,5148.26 ; D6.K 5066.25,5232.6 5066.93,5233.29 ; D9.A 5689.57,5228.76 5685.04,5233.29 ; D11.K 6697.91,5226.47 6704.72,5233.29 ; D12.A 6794.87,5233.29 6704.72,5233.29 ; 3814.96,5216.54 3844.49,5246.06 4609.51,5246.06 4707.32,5148.26 ; 4707.32,5148.26 4792.34,5233.29 5066.93,5233.29 ; 5066.93,5233.29 5685.04,5233.29 ; 5685.04,5233.29 6704.72,5233.29
NetD1_K: D1.K D3.A D4.K D5.A D8.K D10.A R8.1 | length 3412.2
  Top Layer w15: D1.K 3496.48,5027.15 3531.28,4992.34 3881.89,4992.34 ; D3.A 3885.92,4996.37 3881.89,4992.34 ; D4.K 4125.77,4992.34 ; R8.1 4275.59,4988.4 4271.65,4992.34 ; D5.A 4515.22,5023.09 v1(4484.47,4992.34) 4271.65,4992.34 ; D8.K v1(5453.19,5188.54) ; v1(5913.39,5188.98) 6000.75,5101.61 D10.A ; 3881.89,4992.34 4125.77,4992.34 ; 4125.77,4992.34 4271.65,4992.34
  Bottom Layer w15: v1(4484.47,4992.34) 4686.84,5194.71 5447.02,5194.71 v1@5452.76,5188.98 ; v1(5453.19,5188.54) v1@5452.76,5188.98 ; v1(5913.39,5188.98) v1@5452.76,5188.98
NetD2_A: D2.A F1.2 | length 198.5
  Top Layer w62.99: F1.2@3532.48,3759.84 3536.42,3755.91 D2.A
NetD4_A: D4.A D5.K D6.A D9.K D13.K D14.A R10.1 | length 4331.5
  Top Layer w15: D4.A 4204.51,5091.17 4259.01,5145.67 v1(4319.88,5145.67) 4324.8,5140.75 4394.78,5140.75 D5.K ; R10.1 v1(4479.28,4889.76) 4602.36,4889.76 4740.16,5027.56 5140.36,5027.56 5141.05,5028.25 ; D6.A 5141.05,5028.25 ; D9.K 5764.37,4945.08 5764.57,4944.88 ; D13.K 7320.27,5001.37 7318.9,5000 ; D14.A 7462.78,5000 7318.9,5000 ; 5141.05,5028.25 5143.01,5030.21 5228.35,4944.88 5764.57,4944.88 ; 5764.57,4944.88 7263.78,4944.88 7318.9,5000
  Bottom Layer w15: v1(4319.88,5145.67) 4318.9,5144.69 4416.34,5047.24 4416.34,4939.87 4466.44,4889.76 v1(4479.28,4889.76)
NetD8_A: D8.A D10.K D11.A D12.K D13.A D14.K R15.1 | length 4174.2
  Top Layer w15: R15.1 4578.74,4799.21 4755.91,4976.38 v1(5106.3,4976.38) ; v1(5286.14,5003.25) 5287.77,5003.25 D8.A ; D10.K 6080.1,5098.43 v1(6196.85,5098.43) ; D11.A v1(6623.11,5180.04) ; D12.K v1(7133.86,5093.87) D13.A ; D14.K 7634.31,5093.87 v1(7721.55,5181.1)
  Bottom Layer w15: v1(5106.3,4976.38) 5114.17,4976.38 5141.73,5003.94 6102.36,5003.94 v1(6196.85,5098.43) 6279.53,5181.1 v1@6622.05,5181.1 ; v1(6623.11,5180.04) v1@6622.05,5181.1 ; v1(7133.86,5093.87) 7133.86,5181.1 ; v1(7721.55,5181.1) 7133.86,5181.1 ; v1@6622.05,5181.1 7133.86,5181.1
NetF1_1: F1.1 U11.2 | length 1005.2
  Top Layer w62.99: F1.1 3548.23,4355.31 3442.91,4460.63 3442.91,4805.23 3479.81,4842.13 U11.2
NetIMD_K: IMD.K R3.2 | length 1358.7
  Top Layer w15: v1(6968.5,4712.72) 6971.16,4710.07 6971.16,4049.63 R3.2
  Bottom Layer w15: IMD.K@6448.79,5094.49 IMD.K 6824.08,4712.72 v1(6968.5,4712.72)
NetPDOC_K: PDOC.K R1.2 | length 3670.1
  Top Layer w15: R1.2 6528.32,4418.08 6527.65,4418.75 v1(6527.65,4714.57)
  Bottom Layer w15: PDOC.K 3693.1,4714.57 v1(6527.65,4714.57)
NetQ1_B: Q1.B R11.2 | length 196.5
  Top Layer w15: R11.2 Q1.B
NetQ1_C: Q1.C R1.1 | length 195
  Top Layer w15: R1.1 6528.32,4341.22 Q1.C
NetQ2_B: Q2.B R12.2 | length 196.5
  Top Layer w15: R12.2 Q2.B
NetQ2_C: Q2.C R2.1 | length 194.6
  Top Layer w15: Q2.C R2.1
NetQ3_B: Q3.B R13.2 | length 196.5
  Top Layer w15: R13.2 Q3.B
NetQ3_C: Q3.C R3.1 | length 194.6
  Top Layer w15: Q3.C R3.1
NetQ4_B: Q4.B R14.2 | length 196.9
  Top Layer w15: R14.2 7164.37,3326.2 Q4.B
NetQ4_C: Q4.C R4.1 | length 194.6
  Top Layer w15: Q4.C R4.1
NetR23_U_CAN1_2: R23_U_CAN1.2 U2_U_CAN1.18 | length 377.9
  Top Layer w15: R23_U_CAN1.2 5398.6,3295.7 U2_U_CAN1.18
NetR23_U_CAN2_2: R23_U_CAN2.2 U2_U_CAN2.18 | length 382.5
  Top Layer w15: R23_U_CAN2.2 5028.07,3900.64 5399.3,3900.64 5399.3,3898.16 U2_U_CAN2.18
PDOC: R11.1 U1.29 | length 1510.4
  Top Layer w15: U1.29 6015.6,2891.19 6345.91,2891.19 6490.91,3036.19 R11.1
pads on no net: P1.6 P1.7 P1.8 P1.9 P1.10 P2.2 U1.0 U1.1 U1.2 U1.3 U1.4 U1.7 U1.9 U1.10 U1.11 U1.12 U1.13 U1.14 U1.17 U1.18 U1.19 U1.24 U1.28 U1.33 U1.34 U1.35 U1.36 U1.38 U1.39 U1.40 U1.41 U1.42 U1.43 U1.45 U1.46 U1.47 U1.48 U2_U_CAN1.2 U2_U_CAN1.14 U2_U_CAN2.2 U2_U_CAN2.14

## Polygon pours and split planes (outlines as drawn)
"0V (ISO)" on Top Layer "Top Layer-0V (ISO)" (solid, remove dead copper, pour order 24): 2814.96,5393.7 2814.96,4940.94 4070.87,4940.94 4200.57,4811.24 4200.57,4459.67 4309.84,4350.39 5620.08,4350.39 5620.08,3051.18 3877.95,3051.18 3769.69,3159.45 2814.96,3159.45 2814.96,2338.58 8425.2,2338.58 8425.2,5393.7
"0V (ISO)" on Top Layer "Top Layer-0V (ISO) 1" (solid, remove dead copper, pour order 40): 3072.84,5046.56 3072.84,2910.57 2810.55,2910.57 2810.55,4354.8 2810.55,5046.56
0V on Top Layer "Top Layer-0V" (solid, remove dead copper, pour order 22): 3733.89,4886.23 3733.89,3204.82 3111.35,3204.82 3111.35,4886.23
no net on Top Layer "Top Layer-No Net" (solid, remove dead copper, pour order 2): 4724.41,1476.38
"0V (ISO)" on Bottom Layer "Bottom Layer-0V (ISO)" (solid, remove dead copper, pour order 26): 2814.96,5393.7 2814.96,4940.94 4069.88,4940.94 4202.76,4808.07 4202.76,4460.8 4303.32,4360.24 5620.08,4360.24 5620.08,3041.34 3863.23,3041.34 3754.96,3149.61 2815.04,3149.61 2814.96,2338.58 8425.2,2338.58 8425.2,5393.7
"0V (ISO)" on Bottom Layer "Bottom Layer-0V (ISO) 1" (solid, remove dead copper, pour order 32): 2815.59,5039.37 3101.85,5039.37 3077.69,2913.39 2815.59,2913.39
0V on Bottom Layer "Bottom Layer-0V" (solid, remove dead copper, pour order 28): 3100.28,4915.4 3776.57,4915.4 3733.1,4871.92 3733.1,3208.66 3100.43,3208.66

## Keep-outs
Keep-Out Layer:
  lines w10: 2814.96,2522.15 2814.96,5196.85 cw(c3011.81,5196.85) 3011.81,5393.7 8228.35,5393.7 cw(c8228.35,5196.85) 8425.2,5196.85 ; 2814.96,2535.43 ccw(c3011.81,2535.43) 3011.81,2338.58 8228.35,2338.58 ; 2862.93,2402.24 ccw(c3007.87,2535.43) 3007.87,2338.58 ; 8373.29,2402.24 cw(c8228.35,2535.43) 8228.35,2338.58 ; 8425.2,5210.16 8425.2,2535.43 cw(c8228.35,2535.43) 8228.35,2338.58

## Other copper
Top Layer:
  region: 8262.88,3816.2 8262.88,3866.2 8127.88,3866.2 8127.88,3816.2
  pour cut-out: 3701.77,3704.72 3701.77,4122.05 3418.31,4122.05 3418.31,3704.72
  text "Dash Ver. 2" at 8297.88,3680.02 h40 r90
  text "19/11/19 - P.M.C" at 8332.88,3603.26 h40 r90
  text "Formula SAE" at 8262.88,3436.2 h70 r90
  text "Team Swinburne" at 8207.88,2996.2 h120 r90
Bottom Layer:
  region: 8262.88,3816.2 8262.88,3866.2 8127.88,3866.2 8127.88,3816.2
  region: 4389.76,2736.22
  text "Dash Ver. 2" at 8297.88,3680.02 h40 r90
  text "19/11/19 - P.M.C" at 8332.88,3603.26 h40 r90
  text "Formula SAE" at 8262.88,3436.2 h70 r90
  text "Team Swinburne" at 8207.88,2996.2 h120 r90

## Silkscreen, mask and mechanical layers (free items; w line width, h text height)
Top Overlay:
  drawing of 74 lines, arcs and shapes, not listed
  text "CAN2" at 6112.2,4204.45 h60 r270
  text "Dash Ver. 2" at 8297.88,3680.02 h40 r90
  text "19/11/19 - P.M.C" at 8332.88,3603.26 h40 r90
  text "CAN1" at 6171.26,3518.57 h60 r270
  text "Formula SAE" at 8262.88,3436.2 h70 r90
  text "Team Swinburne" at 8207.88,2996.2 h120 r90
  text "DISCO STU'S / CAN'T STOP THE LEARNIN'  / DISCO ACADEMIES" at 6566.77,2870.09 h60

## Dimensions
3011.81,5393.7 to 3011.81,2338.58 on Drill Drawing
2814.96,5196.85 to 8425.2,5210.16 on Drill Drawing